# Allegro board BeagleBone_AI-64_Rev_B1_PCB_220602.brd (continued)
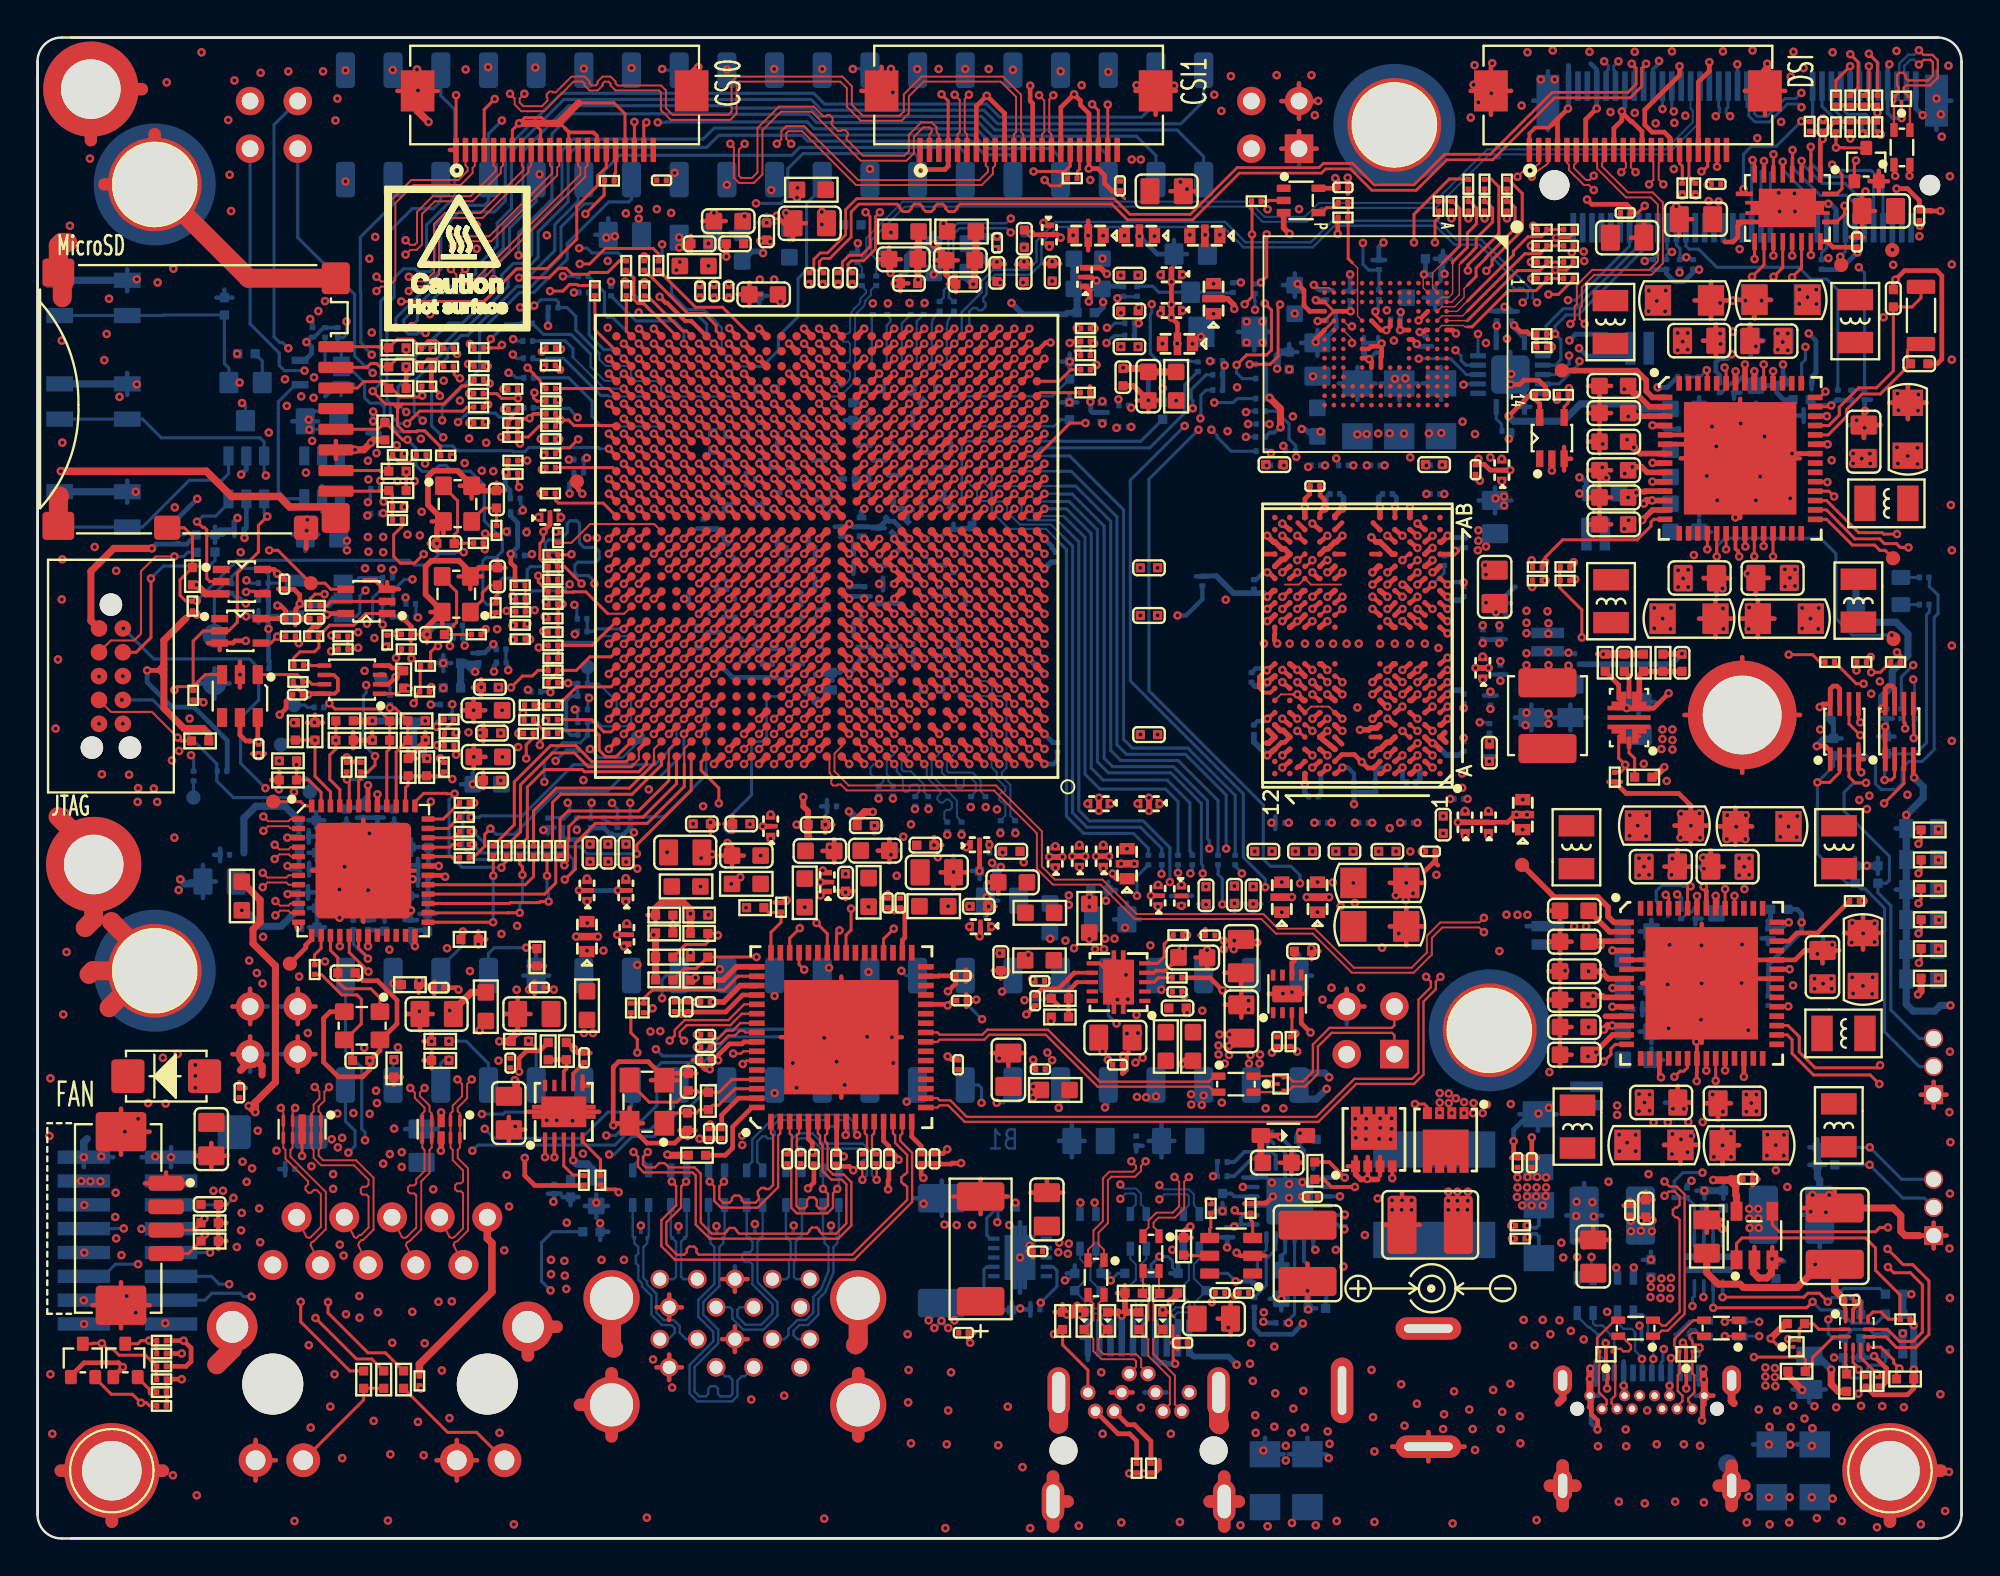
[diagram p0: board, top side]
## Routing (per net, layer and track width the routed paths; a pad name or vN(x,y) marks a point on that pad's centre or on a via; arc(x,y) is an arc through that point) (continued)
  TOP w0.305: v1(52.84,63.69) 52.44,63.29 U19.AH2 ; U19.H10 46.04,47.28 v1(46.44,46.88) ; U19.AA13 43.64,57.69 v1(44.04,58.09) ; U19.AA14 42.84,57.69 v1(42.44,58.09) ; U19.Y19 38.84,56.89 v1(38.44,57.29) ; v1(40.84,56.49) 41.24,56.08 U19.W16 ; v1(20.75,48.18) 20.76,48.58 X2.4 21.56,49.43 20.67,50.31 20.67,51.81 20.98,52.11 22.45,52.11 23.06,51.51 X2.2 23.52,51.74 C335.2 ; U19.M18 39.63,50.48 v1(39.23,50.08) ; v1(48.84,43.68) 48.44,44.08 U19.D7 ; v1(41.64,46.08) 42.04,46.48 U19.G15 ; C437.2 v1(60.71,63.69) ; U19.K1 53.64,48.48 v1(53.64,48.48) ; v1(69.51,53.45) 69.19,53.12 U25.Y8 68.75,52.75 68.6,52.75 U25.W9 ; v1(37.63,50.08) 38.03,50.48 U19.M20 ; v1(50.44,54.88) 50.04,54.48 U19.U5 ; U19.C20 38.03,43.28 v1(37.63,42.88) ; v1(56.54,38.78) C417.2 v1(56.54,39.48) ; v1(38.44,58.89) 38.84,58.49 U19.AB19 ; U25.T1 75.04,50.19 v1(75.11,50.19) ; U25.AB5 v1(71.51,54.96) ; v1(59.21,39.48) C431.2 v1(59.21,38.78) ; U19.P12 44.44,52.08 v1(44.84,51.68) ; U19.J11 v1(45.64,47.68) ; v1(48.04,53.28) 47.64,53.68 U19.T8 ; U19.H8 v1(48.04,46.88) ; v1(35.23,47.68) 35.63,48.08 U19.J23 ; U19.L3 51.64,49.68 v1(52.04,49.28) ; U19.G7 v1(48.84,46.08) ; v1(38.43,54.88) 38.84,54.48 U19.U19 ; v1(40.03,58.89) 40.44,58.49 U19.AB17 ; U19.E12 44.44,44.88 v1(44.84,44.48) ; v1(43.24,45.28) 42.84,45.68 U19.F14 ; U19.R13 43.64,52.88 v1(44.04,52.48) ; U19.D13 43.64,44.08 v1(44.04,43.68) ; U19.L21 37.23,49.68 v1(36.83,49.28) ; v1(40.83,64.48) 41.23,64.08 U19.AJ16 ; v1(31.23,50.08) 31.63,50.48 U19.M28 ; v1(65.51,41.74) U25.C12 ; v1(60.4,65.77) C436.2 v1(60.4,65.07) ; v1(46.44,55.68) 46.04,55.28 U19.V10 ; U19.T16 41.24,53.68 v1(40.84,53.28) ; v1(59.18,60.67) C427.2 58.4,61.44 C420.2 ; v1(44.04,59.69) 43.64,59.29 U19.AC13 ; v1(21.27,53.03) 21.27,53.86 X3.2 21.63,54.26 20.8,55.08 20.8,56.61 21.11,56.91 22.37,56.91 23.13,56.16 X3.4 23.39,55.85 C334.2 ; v1(34.19,68.8) 34.6,68.8 C352.2 ; v1(48.04,58.89) 47.64,58.49 U19.AB8 ; U19.AC10 46.04,59.29 v1(46.44,59.69) ; Q2.1 70.22,19.41 70.49,19.14 71.39,19.14 ; v1(67.61,34.18) C461.2 v1(68.81,34.18) ; U25.K2 73.84,46.62 v1(73.51,46.29) U25.J3 ; v1(43.24,48.48) 42.84,48.88 U19.K14 ; U19.AG19 38.83,62.48 v1(38.43,62.88) ; U19.N19 38.83,51.28 v1(38.43,50.88) ; U19.AE7 48.44,60.89 v1(48.84,61.29) ; U19.C17 40.44,43.28 v1(40.03,42.88) ; U19.N17 40.44,51.28 v1(40.03,50.88) ; U19.H16 41.24,47.28 v1(40.84,46.88) ; v1(48.04,55.68) 47.64,55.28 U19.V8 ; v1(43.24,54.08) 42.84,53.68 U19.T14 ; v1(75.11,53.45) 74.79,53.12 U25.Y1 ; v1(40.84,43.68) 41.24,44.08 U19.D16 ; U19.AG16 41.23,62.48 v1(40.83,62.88) ; U25.C8 69.11,42.07 68.31,42.72 ; 60.4,67.67 C435.2 v1(60.4,66.98) ; U19.R3 51.64,52.88 v1(52.04,52.48) ; v1(50.44,63.69) 50.04,63.29 U19.AH5 ; U19.N21 37.23,51.28 v1(36.83,50.88) ; U19.R9 46.84,52.88 v1(47.24,52.48) ; U25.D9 68.31,42.72 ; 68.31,42.72 68.31,42.73 68.7,43.05 v1(68.71,43.04) ; C360.2 v1(36.04,70.66) ; U25.G3 73.19,44.67 v1(73.51,44.99) ; U19.C8 47.64,43.28 v1(48.04,42.88) ; v1(74.31,52.8) 74.24,52.8 U25.W2 ; v1(36.03,48.48) 36.43,48.88 U19.K22 ; v1(40.03,52.48) 40.44,52.88 U19.R17 ; U19.M16 41.24,50.48 v1(40.84,50.08) ; U19.AE19 38.83,60.88 v1(38.43,61.28) ; v1(41.64,54.88) 42.04,54.48 U19.U15 ; v1(47.24,56.49) 46.84,56.08 U19.W9 ; U19.L23 35.63,49.68 v1(35.23,49.28) ; U19.D19 38.83,44.08 v1(38.43,43.68) ; v1(45.64,50.08) 46.04,50.48 U19.M10 ; v1(51.24,64.49) 50.84,64.09 U19.AJ4 ; C369.2 40.25,70.28 v1(39.88,70.65) ; U19.J17 40.44,48.08 v1(40.03,47.68) ; v1(42.44,55.68) 42.84,55.28 U19.V14 ; v1(47.24,44.48) 46.84,44.88 U19.E9 ; v1(69.51,43.04) 69.44,43.04 U25.E8 ; v1(71.09,41.77) 71.39,42.07 U25.C5 71.88,42.44 72.03,42.44 U25.D4 ; U19.C11 45.24,43.28 v1(45.64,42.88) ; U19.AD11 45.24,60.09 v1(45.64,60.49) ; v1(71.91,44.34) 71.84,44.34 U25.G5 ; v1(66.7,69.54) 66.39,69.85 U24.3 ; v1(48.84,52.48) 48.44,52.88 U19.R7 ; U19.K12 44.44,48.88 v1(44.84,48.48) ; U19.AH11 45.24,63.29 v1(45.64,63.69) ; v1(41.64,49.28) 42.04,49.68 U19.L15 ; U19.AC16 41.24,59.29 v1(40.84,59.69) ; v1(53.64,50.08) 53.24,50.48 U19.M1 ; 37.23,48.08 U19.J21 37.23,48.08 ; 37.23,48.08 v1(36.83,47.68) ; C474.2 C471.2 v1(75.67,38.17) ; U25.P12 65.59,48.89 v1(65.51,48.89) ; v1(70.45,43.1) 70.93,43.1 71.04,43.2 71.35,43.2 U25.E5 ; U25.W4 72.16,52.47 U25.Y5 71.3,53.12 v1(71.06,53.36) ; v1(32.03,50.88) 32.43,51.28 U19.N27 ; v1(63.75,65.54) 63.78,65.54 63.78,65.55 63.73,65.6 63.73,65.76 63.4,66.09 C444.2 ; U19.F8 v1(48.04,45.28) ; U19.K20 38.03,48.88 v1(37.63,48.48) ; v1(49.64,50.08) 49.24,50.48 U19.M6 ; v1(68.71,44.99) 69.11,44.67 U25.G8 ; U25.AB10 67.51,54.95 v1(67.52,54.96) ; v1(51.24,50.08) 50.84,50.48 U19.M4 ; v1(58.42,35.96) C422.2 v1(57.73,35.96) ; U19.H4 50.84,47.28 v1(51.24,46.88) ; U25.K9 68.39,46.62 v1(68.71,46.29) ; U17.8 21.5,20.68 v1(21.49,20.67) ; U19.AD14 42.84,60.09 v1(42.44,60.49) ; U19.V12 44.44,55.28 v1(44.84,55.68) ; U25.K4 72.24,46.62 v1(71.91,46.29) ; C382.2 45.37,67.7 45.44,67.63 v1(45.44,67.45) ; U19.AA16 41.24,57.69 v1(40.84,58.09) ; v1(47.24,54.88) 46.84,54.48 U19.U9 ; v1(45.64,58.09) 45.24,57.69 U19.AA11 ; U19.AE15 42.04,60.89 v1(41.64,61.29) ; U19.H6 49.24,47.28 v1(49.64,46.88) ; U19.P14 v1(43.24,51.68) ; v1(44.84,61.29) 44.44,60.89 U19.AE12 ; U19.AG7 48.44,62.49 v1(48.84,62.89) ; v1(46.44,43.68) 46.04,44.08 U19.D10 ; U25.AB8 69.11,54.5 v1(69.51,54.9) ; U25.N2 73.84,48.57 v1(73.51,48.89) U25.P3 ; v1(39.23,42.08) 39.63,42.48 U19.B18 ; v1(40.84,48.48) 41.24,48.88 U19.K16 ; v1(51.24,62.89) 50.84,62.49 U19.AG4 ; v1(48.04,51.68) 47.64,52.08 U19.P8 ; v1(40.84,51.68) 41.24,52.08 U19.P16 ; U19.K18 39.63,48.88 v1(39.23,48.48) ; U19.W11 45.24,56.08 v1(45.64,56.48) ; v1(40.03,60.49) 40.44,60.09 U19.AD17 ; U25.G10 67.44,44.67 v1(67.11,44.99) 67.11,44.99 ; U19.F4 v1(51.24,45.28) ; U19.K10 v1(46.44,48.48) ; v1(67.11,50.19) 67.44,50.52 U25.T10 ; C390.2 48.4,67.38 C389.2 ; U19.AA9 46.84,57.69 v1(47.24,58.09) ; U19.L17 40.44,49.68 v1(40.03,49.28) ; v1(77.3,46.4) C473.2 v1(76.61,46.4) ; v1(43.24,50.08) 42.84,50.48 U19.M14 ; v1(48.04,63.69) 47.64,63.29 U19.AH8 ; U19.A22 36.43,41.68 v1(36.03,41.28) ; U19.M8 47.64,50.48 v1(48.04,50.08) ; v1(71.91,50.19) 71.51,50.52 U25.T5 ; v1(38.43,49.28) 38.83,49.68 U19.L19 ; v1(52.84,43.68) 52.44,44.08 U19.D2 ; U19.AF11 45.24,61.69 v1(45.64,62.09) ; v1(48.04,48.48) 47.64,48.88 U19.K8 ; U19.N29 30.83,51.28 v1(30.43,50.88) ; U25.J1 75.04,46.29 v1(75.11,46.29) ; U19.AE16 41.24,60.89 v1(40.84,61.29) ; v1(68.71,51.49) 68.79,51.49 U25.V8 ; U25.D11 66.36,43.07 66.21,43.07 U25.E12 ; v1(40.03,62.08) 40.43,61.68 U19.AF17 ; U19.A16 41.24,41.68 v1(40.84,41.28) ; U19.H12 44.44,47.28 v1(44.84,46.88) ; v1(50.44,42.88) 50.04,43.28 U19.C5 ; v1(48.04,57.29) 47.64,56.89 U19.Y8 ; v1(53.64,51.68) 53.24,52.08 U19.P1 ; v1(79.35,38.58) C479.2 v1(78.79,38.58) ; v1(44.84,42.08) 44.44,42.48 U19.B12 ; U19.A13 43.64,41.68 v1(44.04,41.28) ; U19.AF14 42.83,61.68 v1(42.43,62.08) ; v1(41.64,50.88) 42.04,51.28 U19.N15 ; U19.A7 48.44,41.68 v1(48.84,41.28) ; v1(73.51,41.09) 73.19,40.77 U25.A3 ; v1(53.64,46.08) U19.G1 ; v1(46.44,53.28) 46.04,53.68 U19.T10 ; U25.P1 75.04,48.89 v1(75.11,48.89) ; v1(75.11,43.69) 74.79,43.37 U25.E1 ; U19.AA18 39.64,57.69 v1(39.24,58.09) ; U19.AH20 38.03,63.28 v1(37.63,63.68) ; U19.E5 v1(50.44,44.48) ; v1(48.84,50.88) 48.44,51.28 U19.N7 ; U19.Y21 37.24,56.89 v1(36.84,57.29) ; U19.J13 43.64,48.08 v1(44.04,47.68) ; U19.N3 51.64,51.28 v1(52.04,50.88) ; U19.K4 50.84,48.88 v1(51.24,48.48) ; v1(57.08,36.36) C418.2 v1(56.39,36.36) ; U25.G1 75.04,44.99 v1(75.11,44.99) ; v1(41.64,52.48) 42.04,52.88 U19.R15 ; v1(65.51,50.19) 65.84,50.52 U25.T12 ; v1(44.04,56.49) 43.64,56.08 U19.W13 ; v1(48.04,62.09) 47.64,61.69 U19.AF8 ; v1(47.24,42.08) 46.84,42.48 U19.B9 ; v1(71.11,51.49) 71.44,51.82 U25.V5 ; U25.T3 72.79,50.84 v1(72.71,50.84) ; v1(40.03,63.68) 40.43,63.28 U19.AH17 ; U19.L9 v1(47.24,49.28) ; U19.U17 v1(40.03,54.88) ; v1(44.04,62.89) 43.64,62.49 U19.AG13 ; U19.H18 39.63,47.28 v1(39.23,46.88) ; U19.T21 37.23,53.68 v1(36.83,53.28) ; U25.AB3 v1(73.11,54.96) ; U19.W20 v1(37.63,56.49) ; U19.L13 43.64,49.68 v1(44.04,49.28) ; v1(41.64,44.48) 42.04,44.88 U19.E15 ; U19.G13 43.64,46.48 v1(44.04,46.08) ; C362.2 v1(36.69,68.33) ; U19.A19 38.83,41.68 v1(38.43,41.28) ; U19.AG10 46.04,62.49 v1(46.44,62.89) ; U25.N9 v1(68.71,48.89) ; v1(48.84,58.09) 48.44,57.69 U19.AA7 ; U19.R19 38.83,52.88 v1(38.43,52.48) ; v1(39.23,53.28) 39.63,53.68 U19.T18 ; U25.V12 66.28,52.19 66.43,52.19 U25.W11 66.43,52.75 66.28,52.75 U25.Y12 65.84,53.12 v1(65.51,53.45) ; v1(36.84,54.89) 37.24,54.49 U19.U21 ; C454.2 v1(66.83,34.18) ; v1(46.44,41.28) 46.04,41.68 U19.A10 ; v1(38.43,64.48) 38.83,64.08 U19.AJ19 ; U19.H20 38.03,47.28 v1(37.63,46.88) ; U19.Y10 46.04,56.89 v1(46.44,57.29) ; U25.A10 v1(67.51,40.23) ; 57.93,12.05 R307.2 ; v1(41.64,47.68) 42.04,48.08 U19.J15 ; U19.E1 v1(53.64,44.48) ; U19.B6 49.24,42.48 v1(49.64,42.08) ; v1(40.03,57.29) 40.44,56.89 U19.Y17 ; v1(37.64,58.89) 38.04,58.49 U19.AB20 ; U25.P10 67.19,48.89 v1(67.11,48.89) 67.11,48.89 U25.N11 ; U25.K11 v1(67.11,46.29) 67.19,46.29 U25.J10 ; U19.B3 v1(52.04,42.08) ; U19.AB22 v1(36.03,58.89) ; v1(43.24,42.88) 42.84,43.28 U19.C14 ; U19.B21 37.23,42.48 v1(36.83,42.08) ; U19.Y15 42.04,56.89 v1(41.64,57.29) ; U19.P28 31.63,52.08 v1(31.23,51.68) ; C366.2 v1(38.84,70.13) ; U19.J9 v1(47.24,47.68) ; U19.C1 v1(53.64,42.88) ; v1(41.64,42.08) 42.04,42.48 U19.B15 ; U25.C1 74.39,42.39 v1(74.31,42.39) 74.24,42.39 U25.D2 ; v1(71.91,48.89) 72.24,48.57 U25.N4 ; v1(37.63,51.68) 38.03,52.08 U19.P20 ; v1(40.04,46.08) 40.44,46.48 U19.G17 ; U19.AJ10 46.04,64.09 v1(46.44,64.49) ; U19.D4 v1(51.24,43.68) ; U19.AJ13 43.64,64.09 v1(44.04,64.49) ; v1(46.44,61.29) 46.04,60.89 U19.AE10 ; U19.J7 48.44,48.08 v1(48.84,47.68) ; U19.G11 45.24,46.48 v1(45.64,46.08) ; v1(51.24,51.68) 50.84,52.08 U19.P4 ; U25.T8 69.11,50.52 v1(68.71,50.19) ; v1(46.44,51.68) 46.04,52.08 U19.P10 ; v1(44.84,57.29) 44.44,56.89 U19.Y12 ; v1(43.24,46.88) 42.84,47.28 U19.H14 ; U19.AF5 50.04,61.69 v1(50.44,62.09) ; U19.L7 48.44,49.68 v1(48.84,49.28) ; v1(42.43,63.68) 42.83,63.28 U19.AH14 ; v1(48.84,64.49) 48.44,64.09 U19.AJ7 ; U19.V18 v1(39.23,55.68) ; v1(74.31,51.5) 74.39,51.5 U25.V1 ; v1(54.6,36.33) C412.2 v1(53.9,36.33) ; U25.J12 v1(65.51,45.64) ; U19.P18 39.63,52.08 v1(39.23,51.68) ; v1(51.42,36.57) 51.42,36.67 ; v1(55.12,36.36) C413.2 v1(55.81,36.36)
  TOP w0.381: J13.24 20.25,78.27 v1(20.22,78.3) ; C546.2 98.86,17.61 99.26,17.21 99.26,16.37 99.49,16.14 100.25,16.14 ; R346.2 C495.2 83.96,47.14 83.95,47.13 v1(83.41,47.13) ; R290.1 33.59,20.43 v1(33.55,20.46) ; U13.3 U13.8 ; v1(88.75,9.03) 88.75,8.5 v1(88.77,8.47) 88.8,8.45 J5.B12 ; 55.17,11.93 54.98,11.93 ; 55.17,11.93 55.5,11.93 v1(55.52,11.95) ; 55.17,11.93 55.17,12.28 ; 54.98,11.93 v1(54.83,11.93) ; 54.98,11.93 55.18,11.93 54.98,11.93 ; v1(16.91,58.03) 17.39,58.03 v1(17.75,58.39) 17.91,58.55 D23.1 ; R285.2 32.92,33.58 33.25,33.9 34.4,33.9 34.78,33.52 v1(34.78,33.3) R291.2 R292.2 ; v1(47.75,68.98) 48.4,68.33 C389.2 ; 28.83,76.52 27.73,75.43 v1(25.65,75.43) ; R399.2 89.28,16.98 v1(89.77,16.5) ; v1(82.73,9.06) 82.7,9.03 v1(82.7,8.5) 82.7,8.5 J5.B1 ; 92.37,14.85 92.37,14.13 92.12,13.89 91.69,13.89 91.69,13.89 91.41,14.16 91.41,14.85 ; D38.2 57.94,12.06 v1(57.76,11.88) 57.57,12.06 D37.2 ; v1(92.33,10.66) 93.11,11.45 R25.2 ; P9.45 11.96,25.18 11.96,24.71 ; v1(35.05,29.89) 34.92,29.76 R294.2 ; R30.2 93.25,8.67 v1(94,7.92) ; U12.3 8.95,50.35 v1(8.47,50.83) ; v1(24.6,26.5) D34.1 25.23,26.65 v1(25.58,26.99) ; 55.37,12.44 D36.2
  TOP w0.406: v1(20.83,75.51) 20.25,76.09 J13.24 ; J16.23 92.02,78.22 92.15,78.35 v1(92.15,78.6) ; P9.45 11.32,25.46 10.82,24.96 ; J13.23 34.85,78.07 v1(35.2,78.43)
  L2-GND w0.203: 82.73,7.58 82.8,7.51 82.8,7.08 ; 88.69,6.95 88.69,7.51 J5.B12
  L2-GND w0.254: 82.73,7.58 J5.B1
  L2-GND w0.381: P8.1 67.2,75.02 ; P8.1 68.14,74.08 ; P8.1 66.26,74.08 ; P8.1 67.2,73.14 ; J8.4 33.65,9.8 ; J8.4 33.65,8.44 ; J8.4 34.33,9.12 ; J8.4 32.97,9.12 ; J9.12 23.41,4.17 ; J9.12 21.26,4.17 ; J9.12 22.34,3.09 ; J9.12 22.34,5.25 ; P9.E4 69.74,29.3 ; P9.E4 70.68,28.36 ; P9.E4 68.8,28.36 ; P9.E4 69.74,27.42 ; J3.1 101.7,16.14 ; J3.1 100.33,16.14 ; J3.1 101.01,15.46 ; P8.2 67.2,77.56 ; P8.2 66.26,76.62 ; P8.2 67.2,75.68 ; P8.2 68.14,76.62 ; J8.7 37.15,11.3 ; J8.7 36.47,10.62 ; J8.7 37.15,9.95 ; J8.7 37.83,10.62 ; 74.09,4.12 J6.2 ; J6.2 72.17,4.89 ; J6.2 76.02,4.89 ; J6.2 74.09,5.67 ; P9.45 12.26,25.82 ; P9.45 11.32,26.76 ; P9.45 11.32,24.88 ; P9.45 10.38,25.82 ; J9.14 11.62,5.25 ; J9.14 11.62,3.09 ; J9.14 12.69,4.17 ; P9.43 13.86,26.76 ; P9.43 12.92,25.82 ; P9.43 14.8,25.82 ; P9.43 13.86,24.88 ; MH8.1 93.89,43.89 ; MH8.1 90.81,46.97 ; MH8.1 87.73,43.89 ; MH8.1 90.81,40.81 ; 33.65,11.64 J8.13 ; J8.13 33.65,13 ; J8.13 34.33,12.32 ; J8.13 32.97,12.32 ; J8.16 37.15,14.5 ; J8.16 37.15,13.15 ; J8.16 37.83,13.82 ; J8.16 36.47,13.82 ; 12.92,28.36 P9.44 ; P9.44 13.86,27.42 ; P9.44 13.86,29.3 ; P9.44 14.8,28.36 ; 10.38,28.36 P9.46 ; P9.46 11.32,27.42 ; P9.46 12.26,28.36 ; P9.46 11.32,29.3 ; 60.14,7.78 J7.14 58.97,7.78 ; 88.32,7.61 J5.B12 ; J5.B12 89.27,7.61 ; J5.B12 88.8,7.13 ; J5.B12 88.8,8.09 ; 101.01,22.97 J2.1 ; J2.1 101.7,23.65 ; J2.1 100.33,23.65 ; J5.B1 82.7,8.09 ; J5.B1 83.17,7.61 ; J5.B1 82.7,7.13 ; 58.34,7.78 J7.8 57.17,7.78
  L3-SIGNAL w0.305: v1(68.71,48.89) 68.89,48.89 69.19,48.59 69.19,47.87 v1(69.02,47.69) 69.02,46.6 v1(68.71,46.29)
  L3-SIGNAL w0.356: 37.15,9.95 J8.7 ; J8.7 37.83,10.62 ; J8.7 37.15,11.3 ; J8.7 36.47,10.62 ; 36.47,13.82 J8.16 ; J8.16 37.15,14.5 ; J8.16 37.83,13.82 ; J8.16 37.15,13.15 ; P9.E4 69.74,29.3 ; P9.E4 68.8,28.36 ; P9.E4 70.68,28.36 ; J9.12 22.34,5.25 ; J9.12 23.41,4.17 ; J9.12 21.26,4.17 ; J9.12 22.34,3.09 ; 13.86,27.42 P9.44 13.86,29.3 ; J8.4 34.33,9.12 ; J8.4 33.65,9.8 ; J8.4 33.65,8.44 ; J8.4 32.97,9.12 ; 74.09,4.12 J6.2 ; J6.2 72.17,4.89 ; J6.2 76.02,4.89 ; J6.2 74.09,5.67 ; J5.B1 82.7,8.09 ; J5.B1 82.7,7.13 ; J5.B1 83.17,7.61 ; 88.32,7.61 J5.B12 88.8,7.13 ; 67.2,75.68 P8.2 ; P8.2 68.14,76.62 ; P8.2 66.26,76.62 ; P8.2 67.2,77.56 ; 13.86,26.76 P9.43 13.86,24.88 ; J2.1 101.7,23.65 ; J2.1 100.33,23.65 ; J2.1 101.01,22.97 ; J2.1 101.01,24.34 ; 57.17,7.78 J7.8 58.34,7.78 ; MH8.1 90.81,46.97 ; MH8.1 90.81,40.81 ; MH8.1 87.73,43.89 ; 11.62,3.09 J9.14 ; J9.14 11.62,5.25 ; J9.14 12.69,4.17 ; P8.1 68.14,74.08 ; P8.1 67.2,75.02 ; P8.1 66.26,74.08 ; 33.65,11.64 J8.13 ; J8.13 34.33,12.32 ; J8.13 32.97,12.32 ; J8.13 33.65,13 ; 60.14,7.78 J7.14 58.97,7.78 ; 11.32,24.88 P9.45 11.32,26.76 ; 100.33,16.14 J3.1 ; J3.1 101.01,16.83 ; J3.1 101.7,16.14 ; J3.1 101.01,15.46
  L4-GND w0.203: J5.B1 82.78,7.53 82.78,7 ; 88.67,6.98 88.67,7.49 J5.B12
  L4-GND w0.381: 66.26,76.62 P8.2 ; P8.2 68.14,76.62 ; P8.2 67.2,77.56 ; P8.2 67.2,75.68 ; 12.92,28.36 P9.44 ; P9.44 13.86,29.3 ; P9.44 14.8,28.36 ; P9.44 13.86,27.42 ; P9.E4 70.68,28.36 ; P9.E4 69.74,27.42 ; P9.E4 69.74,29.3 ; P9.E4 68.8,28.36 ; P9.46 11.32,29.3 ; P9.46 10.38,28.36 ; P9.46 12.26,28.36 ; P9.46 11.32,27.42 ; J8.16 37.15,14.5 ; J8.16 37.83,13.82 ; J8.16 37.15,13.15 ; J8.16 36.47,13.82 ; J9.12 22.34,5.25 ; J9.12 22.34,3.09 ; J9.12 21.26,4.17 ; J9.12 23.41,4.17 ; J8.7 37.83,10.62 ; J8.7 36.47,10.62 ; J8.7 37.15,9.95 ; J8.7 37.15,11.3 ; J8.4 33.65,9.8 ; J8.4 34.33,9.12 ; J8.4 32.97,9.12 ; J8.4 33.65,8.44 ; J5.B1 82.7,8.09 ; J5.B1 83.17,7.61 ; J5.B1 82.7,7.13 ; 101.01,22.97 J2.1 ; J2.1 101.7,23.65 ; J2.1 100.33,23.65 ; P9.43 13.86,26.76 ; P9.43 12.92,25.82 ; P9.43 14.8,25.82 ; P9.43 13.86,24.88 ; 57.17,7.78 J7.8 58.34,7.78 ; 60.14,7.78 J7.14 58.97,7.78 ; 87.73,43.89 MH8.1 ; MH8.1 90.81,46.97 ; MH8.1 90.81,40.81 ; MH8.1 93.89,43.89 ; P9.45 12.26,25.82 ; P9.45 11.32,26.76 ; P9.45 10.38,25.82 ; P9.45 11.32,24.88 ; 33.65,11.64 J8.13 ; J8.13 33.65,13 ; J8.13 32.97,12.32 ; J8.13 34.33,12.32 ; 74.09,4.12 J6.2 ; J6.2 74.09,5.67 ; J6.2 76.02,4.89 ; J6.2 72.17,4.89 ; P8.1 68.14,74.08 ; P8.1 67.2,75.02 ; P8.1 67.2,73.14 ; P8.1 66.26,74.08 ; J9.14 12.69,4.17 ; J9.14 11.62,3.09 ; J9.14 11.62,5.25 ; J3.1 101.7,16.14 ; J3.1 100.33,16.14 ; J3.1 101.01,15.46 ; 88.32,7.61 J5.B12 ; J5.B12 88.8,8.09 ; J5.B12 88.8,7.13 ; J5.B12 89.27,7.61
  L5-SIGNAL w0.356: 21.26,4.17 J9.12 ; J9.12 22.34,5.25 ; J9.12 23.41,4.17 ; J9.12 22.34,3.09 ; J5.B12 88.8,8.09 ; J5.B12 88.8,7.13 ; J5.B12 89.27,7.61 ; J5.B12 88.32,7.61 ; J6.2 76.02,4.89 ; J6.2 72.17,4.89 ; J6.2 74.09,5.67 ; J6.2 74.09,4.12 ; 32.97,12.32 J8.13 ; J8.13 34.33,12.32 ; J8.13 33.65,13 ; J8.13 33.65,11.64 ; P9.43 14.8,25.82 ; P9.43 13.86,24.88 ; P9.43 12.92,25.82 ; P9.43 13.86,26.76 ; P8.1 67.2,75.02 ; P8.1 66.26,74.08 ; P8.1 68.14,74.08 ; P8.1 67.2,73.14 ; J2.1 101.7,23.65 ; J2.1 100.33,23.65 ; J2.1 101.01,24.34 ; J2.1 101.01,22.97 ; 100.33,16.14 J3.1 ; J3.1 101.01,15.46 ; J3.1 101.01,16.83 ; J3.1 101.7,16.14 ; 11.62,3.09 J9.14 ; J9.14 11.62,5.25 ; J9.14 12.69,4.17 ; 11.32,29.3 P9.46 11.32,27.42 ; J8.4 34.33,9.12 ; J8.4 32.97,9.12 ; J8.4 33.65,8.44 ; J8.4 33.65,9.8 ; 66.26,76.62 P8.2 ; P8.2 67.2,77.56 ; P8.2 67.2,75.68 ; P8.2 68.14,76.62 ; J5.B1 82.7,8.09 ; J5.B1 83.17,7.61 ; J5.B1 82.7,7.13 ; 37.15,13.15 J8.16 ; J8.16 36.47,13.82 ; J8.16 37.83,13.82 ; J8.16 37.15,14.5 ; J8.7 37.83,10.62 ; J8.7 37.15,11.3 ; J8.7 37.15,9.95 ; J8.7 36.47,10.62 ; 60.14,7.78 J7.14 58.97,7.78 ; MH8.1 93.89,43.89 ; MH8.1 90.81,46.97 ; MH8.1 87.73,43.89 ; MH8.1 90.81,40.81 ; 69.74,27.42 P9.E4 ; P9.E4 70.68,28.36 ; P9.E4 69.74,29.3 ; P9.E4 68.8,28.36 ; 11.32,24.88 P9.45 ; P9.45 12.26,25.82 ; P9.45 11.32,26.76 ; 58.34,7.78 J7.8 57.17,7.78
  L6-GND w0.203: 82.82,6.98 82.82,7.49 J5.B1 ; 88.69,7.03 88.69,7.51 J5.B12
  L6-GND w0.381: 90.81,40.81 MH8.1 ; MH8.1 93.89,43.89 ; MH8.1 90.81,46.97 ; MH8.1 87.73,43.89 ; P9.44 13.86,29.3 ; P9.44 12.92,28.36 ; P9.44 13.86,27.42 ; P9.44 14.8,28.36 ; 37.15,9.95 J8.7 ; J8.7 37.15,11.3 ; J8.7 37.83,10.62 ; J8.7 36.47,10.62 ; 21.26,4.17 J9.12 ; J9.12 22.34,3.09 ; J9.12 23.41,4.17 ; J9.12 22.34,5.25 ; 10.38,28.36 P9.46 ; P9.46 11.32,29.3 ; P9.46 12.26,28.36 ; P9.46 11.32,27.42 ; P9.E4 69.74,29.3 ; P9.E4 69.74,27.42 ; P9.E4 70.68,28.36 ; P9.E4 68.8,28.36 ; 67.2,73.14 P8.1 ; P8.1 66.26,74.08 ; P8.1 68.14,74.08 ; P8.1 67.2,75.02 ; J9.14 11.62,5.25 ; J9.14 11.62,3.09 ; J9.14 12.69,4.17 ; J8.13 34.33,12.32 ; J8.13 33.65,11.64 ; J8.13 33.65,13 ; J8.13 32.97,12.32 ; 10.38,25.82 P9.45 ; P9.45 11.32,24.88 ; P9.45 11.32,26.76 ; P9.45 12.26,25.82 ; J2.1 101.7,23.65 ; J2.1 101.01,22.97 ; J2.1 100.33,23.65 ; P8.2 68.14,76.62 ; P8.2 67.2,77.56 ; P8.2 67.2,75.68 ; P8.2 66.26,76.62 ; 36.47,13.82 J8.16 ; J8.16 37.83,13.82 ; J8.16 37.15,13.15 ; J8.16 37.15,14.5 ; P9.43 13.86,26.76 ; P9.43 14.8,25.82 ; P9.43 13.86,24.88 ; P9.43 12.92,25.82 ; J8.4 33.65,9.8 ; J8.4 32.97,9.12 ; J8.4 34.33,9.12 ; J8.4 33.65,8.44 ; 88.8,7.13 J5.B12 ; J5.B12 88.32,7.61 ; J5.B12 88.8,8.09 ; J5.B12 89.27,7.61 ; 72.17,4.89 J6.2 ; J6.2 74.09,5.67 ; J6.2 74.09,4.12 ; J6.2 76.02,4.89 ; 82.7,7.13 J5.B1 ; J5.B1 83.17,7.61 ; J5.B1 82.7,8.09 ; 58.34,7.78 J7.8 57.17,7.78 ; 101.01,15.46 J3.1 ; J3.1 101.7,16.14 ; J3.1 100.33,16.14 ; 58.97,7.78 J7.14 60.14,7.78
  L7-PWR/GND w0.203: v1(41.64,47.68) 42.11,47.21 42.11,40.65 41.97,40.5 v1(41.97,38.05) 38.86,34.94 38.86,32.1 39.95,31 49.39,31 50.38,30.01 53.23,30.01 53.46,30.24 72.39,30.24 72.67,30.52 79.93,30.52 81.38,29.07 81.38,25.23 82.44,24.17 84.94,24.17 85.9,25.14 87.63,25.14 v1(88.39,24.38) ; v1(43.24,46.88) 42.77,46.41 42.77,37.41 v1(42.21,36.85) 41.89,36.52 41.89,36.47 39.9,34.48 v1(39.9,34.03) 39.9,32.33 40.56,31.67 49.86,31.67 50.85,30.67 52.96,30.67 53.19,30.9 72.08,30.9 72.44,31.26 80.29,31.26 80.64,30.9 82.14,29.4 82.14,25.47 82.62,24.98 84.7,24.98 86.2,26.48 v1(88.36,26.48)
  L7-PWR/GND w0.381: 100.33,23.65 J2.1 ; J2.1 101.7,23.65 ; J2.1 101.01,22.97 ; 101.01,15.46 J3.1 ; J3.1 101.7,16.14 ; J3.1 100.33,16.14
  L8-PWR/GND w0.381: J5.B1 82.7,8.09 ; J5.B1 82.7,7.13 ; J5.B1 83.17,7.61 ; 10.38,28.36 P9.46 11.32,27.42 ; J5.B12 88.8,8.09 ; J5.B12 88.8,7.13 ; J5.B12 88.32,7.61 ; P9.45 12.26,25.82 ; P9.45 11.32,24.88 ; P9.45 11.32,26.76 ; P9.45 10.38,25.82 ; 60.14,7.78 J7.14 58.97,7.78 ; 74.09,4.12 J6.2 ; J6.2 74.09,5.67 ; J6.2 72.17,4.89 ; J6.2 76.02,4.89 ; 13.86,24.88 P9.43 12.92,25.82 ; 57.17,7.78 J7.8 58.34,7.78
  L8-PWR/GND w0.635: P8.2 67.2,77.56 ; P8.2 66.26,76.62 ; P8.2 68.14,76.62 ; P8.2 67.2,75.68 ; 66.26,74.08 P8.1 ; P8.1 68.14,74.08 ; P8.1 67.2,73.14 ; P8.1 67.2,75.02
  L9-PWR/GND w0.381: 101.01,22.97 J2.1 101.7,23.65 ; 101.01,15.46 J3.1 ; J3.1 100.33,16.14 ; J3.1 101.7,16.14
  L9-PWR/GND w0.635: P8.2 68.14,76.62 ; P8.2 66.26,76.62 ; P8.2 67.2,77.56
  L10-SIGNAL w0.152: v1(44.84,55.68) 44.43,55.28 44.43,54.59 44.74,54.28 55.33,54.28 57.77,56.72 64.86,56.72 64.86,56.72 75.8,56.72 79.33,53.19 85.81,53.19 87.04,54.42 v1(90.45,54.42) ; 44.06,56.49 v1(44.04,56.49) ; v1(44.04,52.48) 44.45,52.89 44.45,53.44 44.7,53.69 55.59,53.69 55.59,53.7 55.6,53.7 58.04,56.14 75.45,56.14 78.98,52.61 86.19,52.61 87.17,53.59 89.94,53.59 90.35,53.17 90.35,52.64 v1(90.65,52.34)
  L10-SIGNAL w0.356: 67.2,75.68 P8.2 ; P8.2 68.14,76.62 ; P8.2 66.26,76.62 ; P8.2 67.2,77.56 ; 57.17,7.78 J7.8 58.34,7.78 ; P9.E4 69.74,29.3 ; P9.E4 68.8,28.36 ; P9.E4 69.74,27.42 ; 11.32,26.76 P9.45 11.32,24.88 ; MH8.1 90.81,46.97 ; MH8.1 93.89,43.89 ; MH8.1 87.73,43.89 ; J5.B1 83.17,7.61 ; J5.B1 82.7,8.09 ; J5.B1 82.7,7.13 ; 88.32,7.61 J5.B12 ; J5.B12 88.8,8.09 ; J5.B12 88.8,7.13 ; J5.B12 89.27,7.61 ; 101.01,15.46 J3.1 ; J3.1 101.7,16.14 ; J3.1 101.01,16.83 ; J3.1 100.33,16.14 ; 32.97,9.12 J8.4 ; J8.4 33.65,9.8 ; J8.4 34.33,9.12 ; J8.4 33.65,8.44 ; P8.1 68.14,74.08 ; P8.1 67.2,75.02 ; P8.1 66.26,74.08 ; J6.2 74.09,5.67 ; J6.2 76.02,4.89 ; J6.2 72.17,4.89 ; J6.2 74.09,4.12 ; J9.12 23.41,4.17 ; J9.12 22.34,3.09 ; J9.12 22.34,5.25 ; J9.12 21.26,4.17 ; J2.1 101.7,23.65 ; J2.1 101.01,24.34 ; J2.1 101.01,22.97 ; J2.1 100.33,23.65 ; 11.62,3.09 J9.14 ; J9.14 11.62,5.25 ; J9.14 12.69,4.17 ; 13.86,26.76 P9.43 13.86,24.88 ; J8.13 34.33,12.32 ; J8.13 33.65,13 ; J8.13 32.97,12.32 ; J8.13 33.65,11.64 ; 60.14,7.78 J7.14 58.97,7.78
  L11-GND w0.203: 82.82,6.98 82.82,7.49 J5.B1 ; 88.69,7 88.69,7.51 J5.B12
  L11-GND w0.381: 37.15,9.95 J8.7 ; J8.7 37.15,11.3 ; J8.7 36.47,10.62 ; J8.7 37.83,10.62 ; 12.92,25.82 P9.43 ; P9.43 13.86,24.88 ; P9.43 14.8,25.82 ; P9.43 13.86,26.76 ; P9.44 14.8,28.36 ; P9.44 13.86,29.3 ; P9.44 13.86,27.42 ; P9.44 12.92,28.36 ; J5.B1 82.7,8.09 ; J5.B1 83.17,7.61 ; J5.B1 82.7,7.13 ; P9.45 11.32,26.76 ; P9.45 11.32,24.88 ; P9.45 12.26,25.82 ; P9.45 10.38,25.82 ; J9.12 22.34,5.25 ; J9.12 23.41,4.17 ; J9.12 22.34,3.09 ; J9.12 21.26,4.17 ; MH8.1 90.81,46.97 ; MH8.1 87.73,43.89 ; MH8.1 93.89,43.89 ; MH8.1 90.81,40.81 ; 67.2,73.14 P8.1 ; P8.1 67.2,75.02 ; P8.1 68.14,74.08 ; P8.1 66.26,74.08 ; J2.1 101.7,23.65 ; J2.1 100.33,23.65 ; J2.1 101.01,22.97 ; J5.B12 88.8,8.09 ; J5.B12 88.8,7.13 ; J5.B12 88.32,7.61 ; J5.B12 89.27,7.61 ; P8.2 67.2,77.56 ; P8.2 66.26,76.62 ; P8.2 68.14,76.62 ; P8.2 67.2,75.68 ; J8.4 34.33,9.12 ; J8.4 33.65,8.44 ; J8.4 33.65,9.8 ; J8.4 32.97,9.12 ; 58.97,7.78 J7.14 60.14,7.78 ; 69.74,27.42 P9.E4 ; P9.E4 69.74,29.3 ; P9.E4 68.8,28.36 ; P9.E4 70.68,28.36 ; J8.16 37.15,14.5 ; J8.16 37.15,13.15 ; J8.16 36.47,13.82 ; J8.16 37.83,13.82 ; 57.17,7.78 J7.8 58.34,7.78 ; J6.2 76.02,4.89 ; J6.2 72.17,4.89 ; J6.2 74.09,5.67 ; J6.2 74.09,4.12 ; 101.01,15.46 J3.1 ; J3.1 100.33,16.14 ; J3.1 101.7,16.14 ; 11.62,3.09 J9.14 ; J9.14 11.62,5.25 ; J9.14 12.69,4.17 ; J8.13 34.33,12.32 ; J8.13 33.65,11.64 ; J8.13 32.97,12.32 ; J8.13 33.65,13 ; P9.46 12.26,28.36 ; P9.46 11.32,29.3 ; P9.46 10.38,28.36 ; P9.46 11.32,27.42
  L12-SIGNAL w0.356: P9.46 11.32,29.3 ; P9.46 11.32,27.42 ; P9.46 10.38,28.36 ; P9.46 12.26,28.36 ; J3.1 101.01,16.83 ; J3.1 100.33,16.14 ; J3.1 101.01,15.46 ; J3.1 101.7,16.14 ; 32.97,9.12 J8.4 ; J8.4 33.65,9.8 ; J8.4 33.65,8.44 ; J8.4 34.33,9.12 ; J5.B1 82.7,8.09 ; J5.B1 83.17,7.61 ; J5.B1 82.7,7.13 ; 90.81,40.81 MH8.1 ; MH8.1 93.89,43.89 ; MH8.1 87.73,43.89 ; MH8.1 90.81,46.97 ; 36.47,10.62 J8.7 ; J8.7 37.15,11.3 ; J8.7 37.15,9.95 ; J8.7 37.83,10.62 ; J8.16 37.83,13.82 ; J8.16 37.15,14.5 ; J8.16 37.15,13.15 ; J8.16 36.47,13.82 ; 12.92,28.36 P9.44 ; P9.44 13.86,27.42 ; P9.44 13.86,29.3 ; P9.44 14.8,28.36 ; P9.45 12.26,25.82 ; P9.45 11.32,24.88 ; P9.45 11.32,26.76 ; P9.45 10.38,25.82 ; J6.2 74.09,5.67 ; J6.2 72.17,4.89 ; J6.2 74.09,4.12 ; J6.2 76.02,4.89 ; 12.92,25.82 P9.43 ; P9.43 14.8,25.82 ; P9.43 13.86,24.88 ; P9.43 13.86,26.76 ; 68.8,28.36 P9.E4 69.74,29.3 ; 88.32,7.61 J5.B12 ; J5.B12 89.27,7.61 ; J5.B12 88.8,7.13 ; J5.B12 88.8,8.09 ; P8.1 67.2,75.02 ; P8.1 68.14,74.08 ; P8.1 66.26,74.08 ; 67.2,75.68 P8.2 ; P8.2 67.2,77.56 ; P8.2 68.14,76.62 ; P8.2 66.26,76.62 ; 32.97,12.32 J8.13 ; J8.13 33.65,13 ; J8.13 33.65,11.64 ; J8.13 34.33,12.32 ; 21.26,4.17 J9.12 ; J9.12 22.34,5.25 ; J9.12 23.41,4.17 ; J9.12 22.34,3.09 ; 58.34,7.78 J7.8 57.17,7.78 ; 100.33,23.65 J2.1 ; J2.1 101.7,23.65 ; J2.1 101.01,24.34 ; J2.1 101.01,22.97 ; J9.14 11.62,5.25 ; J9.14 11.62,3.09 ; J9.14 12.69,4.17 ; 58.97,7.78 J7.14 60.14,7.78
  L13-GND w0.203: J5.B12 88.69,7.51 88.69,7 ; 82.82,7 82.82,7.49 J5.B1
  L13-GND w0.381: 88.8,7.13 J5.B12 ; J5.B12 88.32,7.61 ; J5.B12 88.8,8.09 ; J5.B12 89.27,7.61 ; P9.44 14.8,28.36 ; P9.44 13.86,27.42 ; P9.44 13.86,29.3 ; P9.44 12.92,28.36 ; 69.74,27.42 P9.E4 ; P9.E4 68.8,28.36 ; P9.E4 69.74,29.3 ; P9.E4 70.68,28.36 ; J9.12 22.34,5.25 ; J9.12 22.34,3.09 ; J9.12 21.26,4.17 ; J9.12 23.41,4.17 ; J9.14 11.62,5.25 ; J9.14 11.62,3.09 ; J9.14 12.69,4.17 ; MH8.1 93.89,43.89 ; MH8.1 90.81,46.97 ; MH8.1 90.81,40.81 ; MH8.1 87.73,43.89 ; 58.34,7.78 J7.8 57.17,7.78 ; J2.1 101.7,23.65 ; J2.1 100.33,23.65 ; J2.1 101.01,22.97 ; P9.46 12.26,28.36 ; P9.46 10.38,28.36 ; P9.46 11.32,29.3 ; P9.46 11.32,27.42 ; P8.2 68.14,76.62 ; P8.2 67.2,77.56 ; P8.2 67.2,75.68 ; P8.2 66.26,76.62 ; J8.7 37.83,10.62 ; J8.7 37.15,11.3 ; J8.7 36.47,10.62 ; J8.7 37.15,9.95 ; 72.17,4.89 J6.2 ; J6.2 74.09,5.67 ; J6.2 74.09,4.12 ; J6.2 76.02,4.89 ; 66.26,74.08 P8.1 ; P8.1 67.2,73.14 ; P8.1 67.2,75.02 ; P8.1 68.14,74.08 ; 33.65,11.64 J8.13 ; J8.13 34.33,12.32 ; J8.13 33.65,13 ; J8.13 32.97,12.32 ; 10.38,25.82 P9.45 ; P9.45 11.32,24.88 ; P9.45 11.32,26.76 ; P9.45 12.26,25.82 ; J8.4 33.65,9.8 ; J8.4 34.33,9.12 ; J8.4 32.97,9.12 ; J8.4 33.65,8.44 ; 13.86,24.88 P9.43 ; P9.43 13.86,26.76 ; P9.43 14.8,25.82 ; P9.43 12.92,25.82 ; 82.7,7.13 J5.B1 ; J5.B1 82.7,8.09 ; J5.B1 83.17,7.61 ; J8.16 37.15,14.5 ; J8.16 37.83,13.82 ; J8.16 37.15,13.15 ; J8.16 36.47,13.82 ; 58.97,7.78 J7.14 60.14,7.78 ; J3.1 101.7,16.14 ; J3.1 100.33,16.14 ; J3.1 101.01,15.46
  BOTTOM w0.152: 39.16,46.81 39.16,46.62 ; 35.29,66.76 35.29,66.87 v1(35.27,66.88) 35.27,66.76 ; v1(36.83,66.88) 36.82,66.87 36.82,66.76 ; v1(41.64,46.08) 41.71,46 42.17,46 42.34,46.18 ; 36.03,66.76 v1(36.03,66.88) 36.05,66.87 36.05,66.76
  BOTTOM w0.165: 28.55,56.43 28.55,56.81 R119.2 ; 52.29,12.18 52.35,12.23 v1(52.35,12.26) ; 28.73,37.87 v1(28.73,37.76) ; D15.1 v1(38.22,16.76) ; 71.63,55.67 71.63,55.67 C73.2 ; v1(56.92,33.99) 56.92,34.23 57.03,34.35 C112.2 ; C72.2 72.08,64.63 72.06,64.61 ; R113.2 28.76,44.19 ; 28.76,44.19 28.76,43.51 R114.2 ; 28.76,44.19 28.63,44.19 v1(28.62,44.19) ; D13.1 v1(42.27,16.68) ; R138.2 24.44,47.51 24.42,47.53 ; C57.2 76.04,53.35 ; D16.1 36.19,16.63 v1(36.17,16.65) ; D11.2 56.96,13.83 57.1,13.83 v1(57.17,13.76) 57.55,14.13 D10.2 ; 15.01,59.12 14.69,59.12 C301.2 14.8,60.09 15.09,60.09 ; R12.2 96.64,12.84 ; C278.2 30.68,69.49 v1(30.76,69.41) ; D14.1 40.26,16.58 40.28,16.6 v1(40.28,16.68) ; R110.2 28.19,42.03 v1(27.6,41.44) ; 14.64,64.57 C302.2 ; R91.2 44.87,68.55 ; v1(54.73,13.76) 54.8,13.83 54.95,13.83 D12.2 ; 16.19,61.12 16.19,60.93 16.15,60.9 ; v1(26.95,37.76) 27.08,37.89 ; R80.2 v1(54.99,62.73) ; v1(28.62,48.2) 28.74,48.31 28.74,48.35 ; v1(61.42,35.45) 61.42,35.55 61.52,35.65 R68.2 ; D6.2 63.4,14.13 v1(63.83,13.71) ; R135.2 25.18,54.71 ; C89.2 67.77,57.2 v1(67.69,57.12) ; C109.2 58.03,32.65 v1(57.94,32.55) ; 52.91,69.51 52.88,69.49 C118.2 ; v1(72.87,61.84) 72.87,61.84 72.87,61.83 72.88,61.84 72.88,61.9 C71.2 ; R144.2 21.44,44.45 ; D8.2 60.46,14.44 60.46,14.79 60.22,15.03 v1(59.76,15.03) 59.32,14.58 D9.2 ; 89.26,20.96 C16.2 ; D17.1 v1(34.15,16.64) ; R149.2 18.92,49.13 ; R83.2 53.42,46.29 53.47,46.24 ; R140.2 22.1,48.66 ; R70.2 59.94,62.2 ; D18.1 v1(32.14,16.68) ; R156.2 11.36,50.93 11.21,51.07 v1(11.12,51.07) ; U1.12 v1(89.77,16.5) ; R79.2 57.85,66.75 ; R123.2 27.19,65.61 ; 69.4,55.67 69.39,55.67 C82.2
  BOTTOM w0.203: 98.56,76.98 98.56,75.98 98.8,75.73 98.83,75.73 98.86,75.71 v1(99.3,75.71) ; 66.14,20.87 66.46,20.55 U3.9 66.46,19.1 v1(66.67,18.89) ; 87.56,77.17 J4.51 87.56,78.39 v1(87.48,78.48) ; v1(92.15,78.6) 92.06,78.52 92.06,77.45 ; 86.06,77.17 J4.57 86.06,78.31 86.38,78.63 v1(86.38,78.76) ; U3.16 66.96,17.74 U3.25 ; U3.25 66.46,17.74 U3.3 ; U3.25 65.46,19.24 U3.6 ; 65.54,21.36 65.86,21.05 ; D5.1 83.47,10.48 v1(83.54,10.41) ; v1(87.65,10.43) 87.65,10.46 87.6,10.51 D45.1 ; 89.06,77.17 J4.45 v1(89.06,78.69) ; 90.56,77.17 J4.39 90.56,78.58 v1(90.55,78.58) ; C91.2 v1(67.66,13.2) ; v1(85.34,11.35) 85.34,11.24 85.44,11.14 D46.1 ; R59.2 v1(63.13,17.45) ; 51.11,69.34 v1(51.11,69.43) ; 65.78,21.71 65.54,21.47 ; C88.2 v1(67.69,12.21) ; J4.33 92.06,77.17